# KiCad board INS-1 Matrix Display.kicad_pcb (continued)
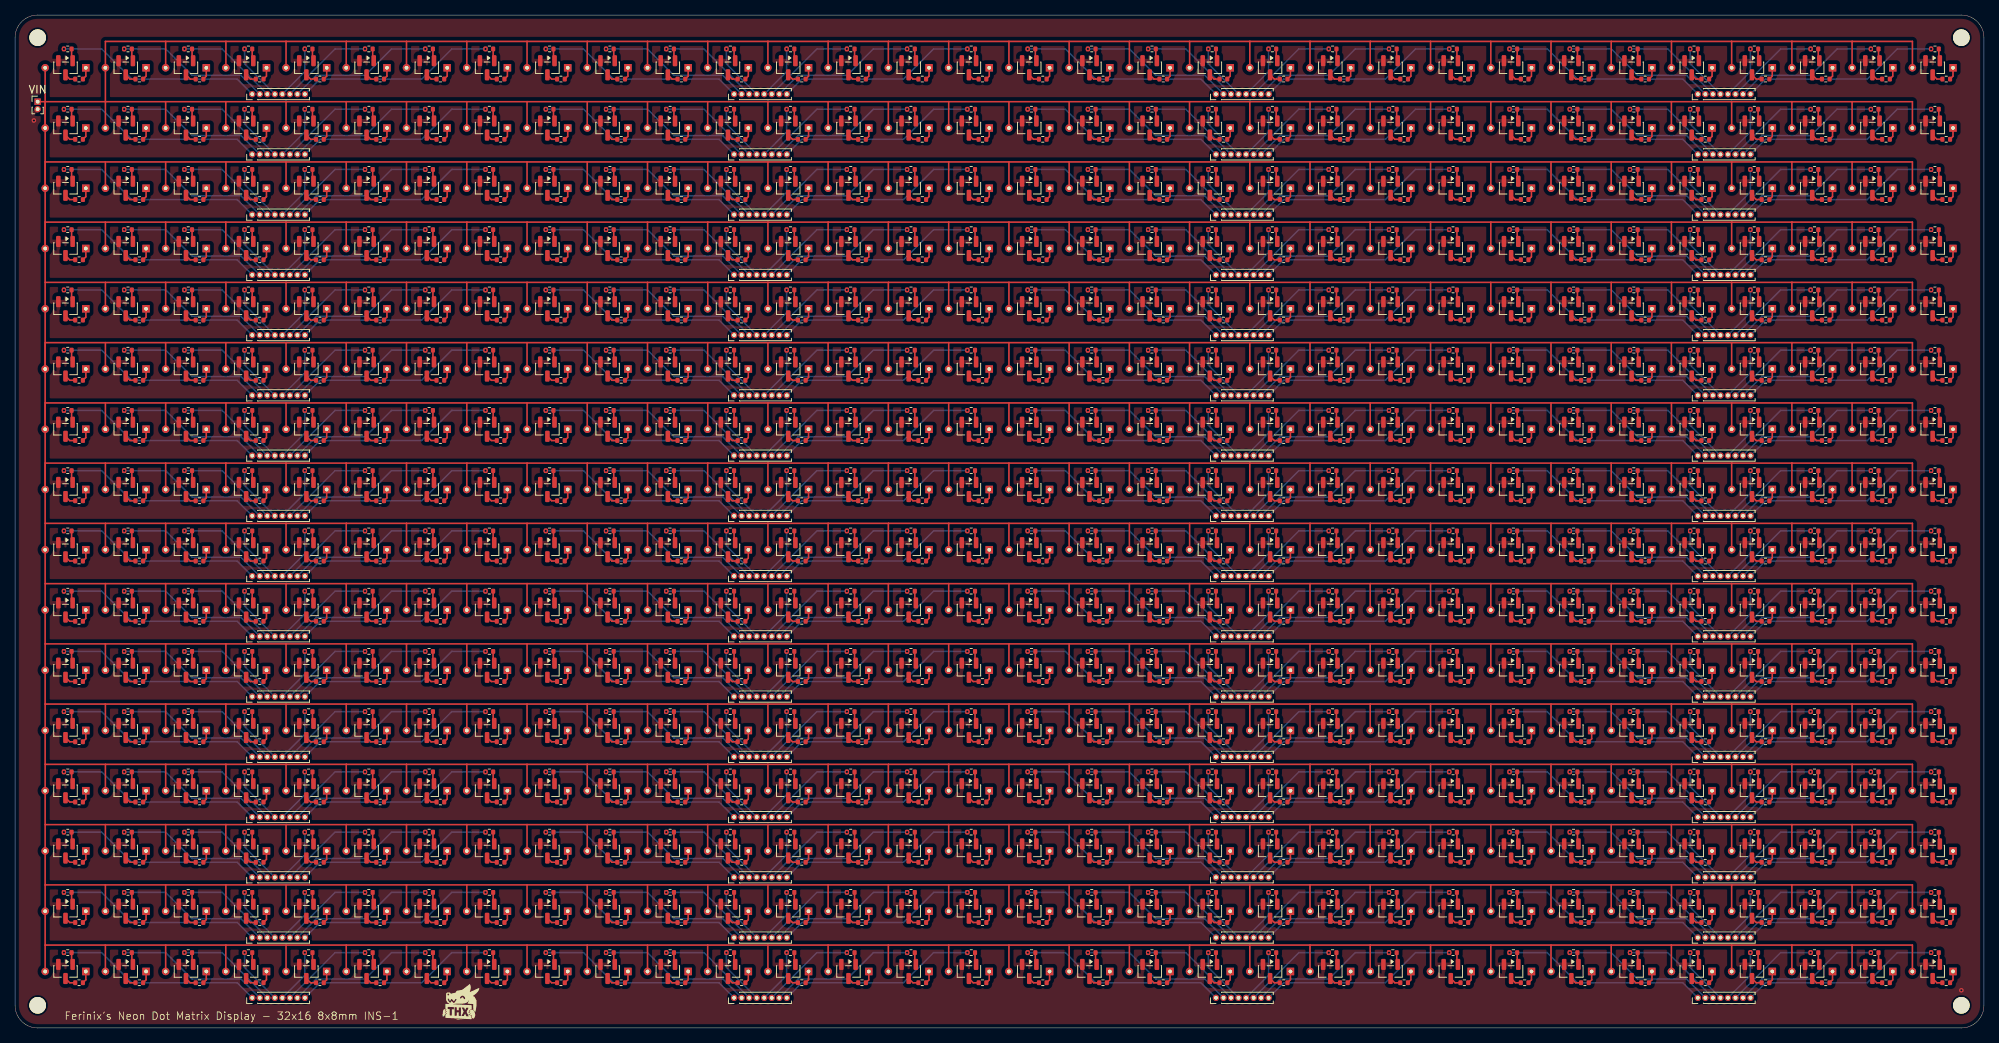
[diagram p0: board, top side]
## Placement (name value [footprint] x y rotation side) (continued)
REF**#493  INS-1  [INS-1 Footprint]  46.69 39.5 0 top
REF**#494  INS-1  [INS-1 Footprint]  254.69 39.5 0 top
REF**#495  INS-1  [INS-1 Footprint]  46.69 111.5 0 top
REF**#496  INS-1  [INS-1 Footprint]  6.7 95.5 0 top
REF**#497  -  [MountingHole_2.2mm_M2]  3 131.5 0 top
REF**#498  INS-1  [INS-1 Footprint]  206.7 87.5 0 top
REF**#499  INS-1  [INS-1 Footprint]  158.69 31.5 0 top
REF**#500  INS-1  [INS-1 Footprint]  174.69 23.5 0 top
REF**#501  INS-1  [INS-1 Footprint]  126.69 63.5 0 top
REF**#502  INS-1  [INS-1 Footprint]  214.7 7.5 0 top
REF**#503  INS-1  [INS-1 Footprint]  158.69 87.5 0 top
REF**#504  INS-1  [INS-1 Footprint]  78.7 119.5 0 top
REF**#505  INS-1  [INS-1 Footprint]  126.69 31.5 0 top
REF**#506  INS-1  [INS-1 Footprint]  142.7 31.5 0 top
REF**#507  INS-1  [INS-1 Footprint]  198.7 15.5 0 top
REF**#508  INS-1  [INS-1 Footprint]  198.7 39.5 0 top
REF**#509  INS-1  [INS-1 Footprint]  22.7 7.5 0 top
REF**#510  INS-1  [INS-1 Footprint]  6.7 63.5 0 top
REF**#511  INS-1  [INS-1 Footprint]  214.7 127.5 0 top
REF**#512  INS-1  [INS-1 Footprint]  102.69 63.5 0 top
REF**#513  INS-1  [INS-1 Footprint]  86.7 103.5 0 top
REF**#514  INS-1  [INS-1 Footprint]  150.7 111.5 0 top
REF**#515  INS-1  [INS-1 Footprint]  222.69 47.5 0 top
REF**#516  INS-1  [INS-1 Footprint]  182.69 47.5 0 top
RegisterLane  -  [PinHeader_1x08_P1.00mm_Vertical]  159.5 116 90 top
RegisterLane#2  -  [PinHeader_1x08_P1.00mm_Vertical]  95.5 92 90 top
RegisterLane#3  -  [PinHeader_1x08_P1.00mm_Vertical]  223.5 36 90 top
RegisterLane#4  -  [PinHeader_1x08_P1.00mm_Vertical]  31.5 68 90 top
RegisterLane#5  -  [PinHeader_1x08_P1.00mm_Vertical]  159.5 12 90 top
RegisterLane#6  -  [PinHeader_1x08_P1.00mm_Vertical]  31.5 52 90 top
RegisterLane#7  -  [PinHeader_1x08_P1.00mm_Vertical]  223.5 20 90 top
RegisterLane#8  -  [PinHeader_1x08_P1.00mm_Vertical]  31.5 76 90 top
RegisterLane#9  -  [PinHeader_1x08_P1.00mm_Vertical]  223.5 52 90 top
RegisterLane#10  -  [PinHeader_1x08_P1.00mm_Vertical]  223.5 4 90 top
RegisterLane#11  -  [PinHeader_1x08_P1.00mm_Vertical]  95.5 124 90 top
RegisterLane#12  -  [PinHeader_1x08_P1.00mm_Vertical]  31.5 36 90 top
RegisterLane#13  -  [PinHeader_1x08_P1.00mm_Vertical]  31.5 60 90 top
RegisterLane#14  -  [PinHeader_1x08_P1.00mm_Vertical]  95.5 68 90 top
RegisterLane#15  -  [PinHeader_1x08_P1.00mm_Vertical]  31.5 4 90 top
RegisterLane#16  -  [PinHeader_1x08_P1.00mm_Vertical]  223.5 124 90 top
RegisterLane#17  -  [PinHeader_1x08_P1.00mm_Vertical]  95.5 44 90 top
RegisterLane#18  -  [PinHeader_1x08_P1.00mm_Vertical]  95.5 108 90 top
RegisterLane#19  -  [PinHeader_1x08_P1.00mm_Vertical]  31.5 44 90 top
RegisterLane#20  -  [PinHeader_1x08_P1.00mm_Vertical]  159.5 28 90 top
RegisterLane#21  -  [PinHeader_1x08_P1.00mm_Vertical]  159.5 36 90 top
RegisterLane#22  -  [PinHeader_1x08_P1.00mm_Vertical]  159.5 44 90 top
RegisterLane#23  -  [PinHeader_1x08_P1.00mm_Vertical]  159.5 20 90 top
RegisterLane#24  -  [PinHeader_1x08_P1.00mm_Vertical]  223.5 28 90 top
RegisterLane#25  -  [PinHeader_1x08_P1.00mm_Vertical]  95.5 60 90 top
RegisterLane#26  -  [PinHeader_1x08_P1.00mm_Vertical]  223.5 44 90 top
RegisterLane#27  -  [PinHeader_1x08_P1.00mm_Vertical]  223.5 108 90 top
RegisterLane#28  -  [PinHeader_1x08_P1.00mm_Vertical]  159.5 4 90 top
RegisterLane#29  -  [PinHeader_1x08_P1.00mm_Vertical]  31.5 92 90 top
RegisterLane#30  -  [PinHeader_1x08_P1.00mm_Vertical]  159.5 84 90 top
RegisterLane#31  -  [PinHeader_1x08_P1.00mm_Vertical]  31.5 100 90 top
RegisterLane#32  -  [PinHeader_1x08_P1.00mm_Vertical]  159.5 92 90 top
RegisterLane#33  -  [PinHeader_1x08_P1.00mm_Vertical]  95.5 12 90 top
RegisterLane#34  -  [PinHeader_1x08_P1.00mm_Vertical]  31.5 84 90 top
RegisterLane#35  -  [PinHeader_1x08_P1.00mm_Vertical]  159.5 124 90 top
RegisterLane#36  -  [PinHeader_1x08_P1.00mm_Vertical]  95.5 52 90 top
RegisterLane#37  -  [PinHeader_1x08_P1.00mm_Vertical]  31.5 12 90 top
RegisterLane#38  -  [PinHeader_1x08_P1.00mm_Vertical]  95.5 20 90 top
RegisterLane#39  -  [PinHeader_1x08_P1.00mm_Vertical]  95.5 28 90 top
RegisterLane#40  -  [PinHeader_1x08_P1.00mm_Vertical]  95.5 4 90 top
RegisterLane#41  -  [PinHeader_1x08_P1.00mm_Vertical]  223.5 92 90 top
RegisterLane#42  -  [PinHeader_1x08_P1.00mm_Vertical]  223.5 84 90 top
RegisterLane#43  -  [PinHeader_1x08_P1.00mm_Vertical]  31.5 20 90 top
RegisterLane#44  -  [PinHeader_1x08_P1.00mm_Vertical]  95.5 116 90 top
RegisterLane#45  -  [PinHeader_1x08_P1.00mm_Vertical]  95.5 84 90 top
RegisterLane#46  -  [PinHeader_1x08_P1.00mm_Vertical]  223.5 12 90 top
RegisterLane#47  -  [PinHeader_1x08_P1.00mm_Vertical]  223.5 76 90 top
RegisterLane#48  -  [PinHeader_1x08_P1.00mm_Vertical]  159.5 108 90 top
RegisterLane#49  -  [PinHeader_1x08_P1.00mm_Vertical]  159.5 68 90 top
RegisterLane#50  -  [PinHeader_1x08_P1.00mm_Vertical]  223.5 60 90 top
RegisterLane#51  -  [PinHeader_1x08_P1.00mm_Vertical]  159.5 76 90 top
RegisterLane#52  -  [PinHeader_1x08_P1.00mm_Vertical]  159.5 60 90 top
RegisterLane#53  -  [PinHeader_1x08_P1.00mm_Vertical]  159.5 52 90 top
RegisterLane#54  -  [PinHeader_1x08_P1.00mm_Vertical]  95.5 36 90 top
RegisterLane#55  -  [PinHeader_1x08_P1.00mm_Vertical]  95.5 76 90 top
RegisterLane#56  -  [PinHeader_1x08_P1.00mm_Vertical]  31.5 116 90 top
RegisterLane#57  -  [PinHeader_1x08_P1.00mm_Vertical]  159.5 100 90 top
RegisterLane#58  -  [PinHeader_1x08_P1.00mm_Vertical]  223.5 100 90 top
RegisterLane#59  -  [PinHeader_1x08_P1.00mm_Vertical]  31.5 108 90 top
RegisterLane#60  -  [PinHeader_1x08_P1.00mm_Vertical]  95.5 100 90 top
RegisterLane#61  -  [PinHeader_1x08_P1.00mm_Vertical]  223.5 116 90 top
RegisterLane#62  -  [PinHeader_1x08_P1.00mm_Vertical]  31.5 124 90 top
RegisterLane#63  -  [PinHeader_1x08_P1.00mm_Vertical]  31.5 28 90 top
RegisterLane#64  -  [PinHeader_1x08_P1.00mm_Vertical]  223.5 68 90 top
VIN  -  [PinHeader_1x02_P1.00mm_Vertical]  3 123 0 top

## Library data of the parts
REF** REF**#2-REF**#27 REF**#29-REF**#123 REF**#125-REF**#148 REF**#150-REF**#496 REF**#498-REF**#516 = -: Cathode: K; Anode: A

## Footprints (pads in the part's own frame, mm; a bottom-side part is the same pattern mirrored in y, then rotated)
INS-1 Footprint
  round 1 hole 0.5: 1(-2.7,0)
  rect 1x1 hole 0.5: 2(2.7,0)
MountingHole_2.2mm_M2
  round 2.2 hole 2.2 unplated: (0,0)
PinHeader_1x02_P1.00mm_Vertical
  rect 0.85x0.85 hole 0.5: 1(0,0)
  round 0.85 hole 0.5: 2(0,-1)
PinHeader_1x08_P1.00mm_Vertical
  round 0.85 hole 0.5: 1(0,0) 2(0,-1) 3(0,-2) 4(0,-3) 5(0,-4) 6(0,-5) 7(0,-6) 8(0,-7)
R_0402_1005Metric
  rrect 0.54x0.64 smd: 1(-0.51,0) 2(0.51,0)
SOT-23
  rrect 1.475x0.6 smd: 1(-0.938,0.95) 2(-0.938,-0.95) 3(0.938,0)

## Nets
GND: MMBTA42.2 MMBTA42#2.2 MMBTA42#3.2 MMBTA42#4.2 MMBTA42#5.2 MMBTA42#6.2 MMBTA42#7.2 MMBTA42#8.2 MMBTA42#9.2 MMBTA42#10.2 MMBTA42#11.2 MMBTA42#12.2 MMBTA42#13.2 MMBTA42#14.2 MMBTA42#15.2 MMBTA42#16.2 MMBTA42#17.2 MMBTA42#18.2 MMBTA42#19.2 MMBTA42#20.2 MMBTA42#21.2 MMBTA42#22.2 MMBTA42#23.2 MMBTA42#24.2 MMBTA42#25.2 MMBTA42#26.2 MMBTA42#27.2 MMBTA42#28.2 MMBTA42#29.2 MMBTA42#30.2 MMBTA42#31.2 MMBTA42#32.2 MMBTA42#33.2 MMBTA42#34.2 MMBTA42#35.2 MMBTA42#36.2 MMBTA42#37.2 MMBTA42#38.2 MMBTA42#39.2 MMBTA42#40.2 MMBTA42#41.2 MMBTA42#42.2 MMBTA42#43.2 MMBTA42#44.2 MMBTA42#45.2 MMBTA42#46.2 MMBTA42#47.2 MMBTA42#48.2 MMBTA42#49.2 MMBTA42#50.2 MMBTA42#51.2 MMBTA42#52.2 MMBTA42#53.2 MMBTA42#54.2 MMBTA42#55.2 MMBTA42#56.2 MMBTA42#57.2 MMBTA42#58.2 MMBTA42#59.2 MMBTA42#60.2 MMBTA42#61.2 MMBTA42#62.2 MMBTA42#63.2 MMBTA42#64.2 MMBTA42#65.2 MMBTA42#66.2 MMBTA42#67.2 MMBTA42#68.2 MMBTA42#69.2 MMBTA42#70.2 MMBTA42#71.2 MMBTA42#72.2 MMBTA42#73.2 MMBTA42#74.2 MMBTA42#75.2 MMBTA42#76.2 MMBTA42#77.2 MMBTA42#78.2 MMBTA42#79.2 MMBTA42#80.2 MMBTA42#81.2 MMBTA42#82.2 MMBTA42#83.2 MMBTA42#84.2 MMBTA42#85.2 MMBTA42#86.2 MMBTA42#87.2 MMBTA42#88.2 MMBTA42#89.2 MMBTA42#90.2 MMBTA42#91.2 MMBTA42#92.2 MMBTA42#93.2 MMBTA42#94.2 MMBTA42#95.2 MMBTA42#96.2 MMBTA42#97.2 MMBTA42#98.2 MMBTA42#99.2 MMBTA42#100.2 MMBTA42#101.2 MMBTA42#102.2 MMBTA42#103.2 MMBTA42#104.2 MMBTA42#105.2 MMBTA42#106.2 MMBTA42#107.2 MMBTA42#108.2 MMBTA42#109.2 MMBTA42#110.2 MMBTA42#111.2 MMBTA42#112.2 MMBTA42#113.2 MMBTA42#114.2 MMBTA42#115.2 MMBTA42#116.2 MMBTA42#117.2 MMBTA42#118.2 MMBTA42#119.2 MMBTA42#120.2 MMBTA42#121.2 MMBTA42#122.2 MMBTA42#123.2 MMBTA42#124.2 MMBTA42#125.2 MMBTA42#126.2 MMBTA42#127.2 MMBTA42#128.2 MMBTA42#129.2 MMBTA42#130.2 MMBTA42#131.2 MMBTA42#132.2 MMBTA42#133.2 MMBTA42#134.2 MMBTA42#135.2 MMBTA42#136.2 MMBTA42#137.2 MMBTA42#138.2 MMBTA42#139.2 MMBTA42#140.2 MMBTA42#141.2 MMBTA42#142.2 MMBTA42#143.2 MMBTA42#144.2 MMBTA42#145.2 MMBTA42#146.2 MMBTA42#147.2 MMBTA42#148.2 MMBTA42#149.2 MMBTA42#150.2 MMBTA42#151.2 MMBTA42#152.2 MMBTA42#153.2 MMBTA42#154.2 MMBTA42#155.2 MMBTA42#156.2 MMBTA42#157.2 MMBTA42#158.2 MMBTA42#159.2 MMBTA42#160.2 MMBTA42#161.2 MMBTA42#162.2 MMBTA42#163.2 MMBTA42#164.2 MMBTA42#165.2 MMBTA42#166.2 MMBTA42#167.2 MMBTA42#168.2 MMBTA42#169.2 MMBTA42#170.2 MMBTA42#171.2 MMBTA42#172.2 MMBTA42#173.2 MMBTA42#174.2 MMBTA42#175.2 MMBTA42#176.2 MMBTA42#177.2 MMBTA42#178.2 MMBTA42#179.2 MMBTA42#180.2 MMBTA42#181.2 MMBTA42#182.2 MMBTA42#183.2 MMBTA42#184.2 MMBTA42#185.2 MMBTA42#186.2 MMBTA42#187.2 MMBTA42#188.2 MMBTA42#189.2 MMBTA42#190.2 MMBTA42#191.2 MMBTA42#192.2 MMBTA42#193.2 MMBTA42#194.2 MMBTA42#195.2 MMBTA42#196.2 MMBTA42#197.2 MMBTA42#198.2 MMBTA42#199.2 MMBTA42#200.2 MMBTA42#201.2 MMBTA42#202.2 MMBTA42#203.2 MMBTA42#204.2 MMBTA42#205.2 MMBTA42#206.2 MMBTA42#207.2 MMBTA42#208.2 MMBTA42#209.2 MMBTA42#210.2 MMBTA42#211.2 MMBTA42#212.2 MMBTA42#213.2 MMBTA42#214.2 MMBTA42#215.2 MMBTA42#216.2 MMBTA42#217.2 MMBTA42#218.2 MMBTA42#219.2 MMBTA42#220.2 MMBTA42#221.2 MMBTA42#222.2 MMBTA42#223.2 MMBTA42#224.2 MMBTA42#225.2 MMBTA42#226.2 MMBTA42#227.2 MMBTA42#228.2 MMBTA42#229.2 MMBTA42#230.2 MMBTA42#231.2 MMBTA42#232.2 MMBTA42#233.2 MMBTA42#234.2 MMBTA42#235.2 MMBTA42#236.2 MMBTA42#237.2 MMBTA42#238.2 MMBTA42#239.2 MMBTA42#240.2 MMBTA42#241.2 MMBTA42#242.2 MMBTA42#243.2 MMBTA42#244.2 MMBTA42#245.2 MMBTA42#246.2 MMBTA42#247.2 MMBTA42#248.2 MMBTA42#249.2 MMBTA42#250.2 MMBTA42#251.2 MMBTA42#252.2 MMBTA42#253.2 MMBTA42#254.2 MMBTA42#255.2 MMBTA42#256.2 MMBTA42#257.2 MMBTA42#258.2 MMBTA42#259.2 MMBTA42#260.2 MMBTA42#261.2 MMBTA42#262.2 MMBTA42#263.2 MMBTA42#264.2 MMBTA42#265.2 MMBTA42#266.2 MMBTA42#267.2 MMBTA42#268.2 MMBTA42#269.2 MMBTA42#270.2 MMBTA42#271.2 MMBTA42#272.2 MMBTA42#273.2 MMBTA42#274.2 MMBTA42#275.2 MMBTA42#276.2 MMBTA42#277.2 MMBTA42#278.2 MMBTA42#279.2 MMBTA42#280.2 MMBTA42#281.2 MMBTA42#282.2 MMBTA42#283.2 MMBTA42#284.2 MMBTA42#285.2 MMBTA42#286.2 MMBTA42#287.2 MMBTA42#288.2 MMBTA42#289.2 MMBTA42#290.2 MMBTA42#291.2 MMBTA42#292.2 MMBTA42#293.2 MMBTA42#294.2 MMBTA42#295.2 MMBTA42#296.2 MMBTA42#297.2 MMBTA42#298.2 MMBTA42#299.2 MMBTA42#300.2 MMBTA42#301.2 MMBTA42#302.2 MMBTA42#303.2 MMBTA42#304.2 MMBTA42#305.2 MMBTA42#306.2 MMBTA42#307.2 MMBTA42#308.2 MMBTA42#309.2 MMBTA42#310.2 MMBTA42#311.2 MMBTA42#312.2 MMBTA42#313.2 MMBTA42#314.2 MMBTA42#315.2 MMBTA42#316.2 MMBTA42#317.2 MMBTA42#318.2 MMBTA42#319.2 MMBTA42#320.2 MMBTA42#321.2 MMBTA42#322.2 MMBTA42#323.2 MMBTA42#324.2 MMBTA42#325.2 MMBTA42#326.2 MMBTA42#327.2 MMBTA42#328.2 MMBTA42#329.2 MMBTA42#330.2 MMBTA42#331.2 MMBTA42#332.2 MMBTA42#333.2 MMBTA42#334.2 MMBTA42#335.2 MMBTA42#336.2 MMBTA42#337.2 MMBTA42#338.2 MMBTA42#339.2 MMBTA42#340.2 MMBTA42#341.2 MMBTA42#342.2 MMBTA42#343.2 MMBTA42#344.2 MMBTA42#345.2 MMBTA42#346.2 MMBTA42#347.2 MMBTA42#348.2 MMBTA42#349.2 MMBTA42#350.2 MMBTA42#351.2 MMBTA42#352.2 MMBTA42#353.2 MMBTA42#354.2 MMBTA42#355.2 MMBTA42#356.2 MMBTA42#357.2 MMBTA42#358.2 MMBTA42#359.2 MMBTA42#360.2 MMBTA42#361.2 MMBTA42#362.2 MMBTA42#363.2 MMBTA42#364.2 MMBTA42#365.2 MMBTA42#366.2 MMBTA42#367.2 MMBTA42#368.2 MMBTA42#369.2 MMBTA42#370.2 MMBTA42#371.2 MMBTA42#372.2 MMBTA42#373.2 MMBTA42#374.2 MMBTA42#375.2 MMBTA42#376.2 MMBTA42#377.2 MMBTA42#378.2 MMBTA42#379.2 MMBTA42#380.2 MMBTA42#381.2 MMBTA42#382.2 MMBTA42#383.2 MMBTA42#384.2 MMBTA42#385.2 MMBTA42#386.2 MMBTA42#387.2 MMBTA42#388.2 MMBTA42#389.2 MMBTA42#390.2 MMBTA42#391.2 MMBTA42#392.2 MMBTA42#393.2 MMBTA42#394.2 MMBTA42#395.2 MMBTA42#396.2 MMBTA42#397.2 MMBTA42#398.2 MMBTA42#399.2 MMBTA42#400.2 MMBTA42#401.2 MMBTA42#402.2 MMBTA42#403.2 MMBTA42#404.2 MMBTA42#405.2 MMBTA42#406.2 MMBTA42#407.2 MMBTA42#408.2 MMBTA42#409.2 MMBTA42#410.2 MMBTA42#411.2 MMBTA42#412.2 MMBTA42#413.2 MMBTA42#414.2 MMBTA42#415.2 MMBTA42#416.2 MMBTA42#417.2 MMBTA42#418.2 MMBTA42#419.2 MMBTA42#420.2 MMBTA42#421.2 MMBTA42#422.2 MMBTA42#423.2 MMBTA42#424.2 MMBTA42#425.2 MMBTA42#426.2 MMBTA42#427.2 MMBTA42#428.2 MMBTA42#429.2 MMBTA42#430.2 MMBTA42#431.2 MMBTA42#432.2 MMBTA42#433.2 MMBTA42#434.2 MMBTA42#435.2 MMBTA42#436.2 MMBTA42#437.2 MMBTA42#438.2 MMBTA42#439.2 MMBTA42#440.2 MMBTA42#441.2 MMBTA42#442.2 MMBTA42#443.2 MMBTA42#444.2 MMBTA42#445.2 MMBTA42#446.2 MMBTA42#447.2 MMBTA42#448.2 MMBTA42#449.2 MMBTA42#450.2 MMBTA42#451.2 MMBTA42#452.2 MMBTA42#453.2 MMBTA42#454.2 MMBTA42#455.2 MMBTA42#456.2 MMBTA42#457.2 MMBTA42#458.2 MMBTA42#459.2 MMBTA42#460.2 MMBTA42#461.2 MMBTA42#462.2 MMBTA42#463.2 MMBTA42#464.2 MMBTA42#465.2 MMBTA42#466.2 MMBTA42#467.2 MMBTA42#468.2 MMBTA42#469.2 MMBTA42#470.2 MMBTA42#471.2 MMBTA42#472.2 MMBTA42#473.2 MMBTA42#474.2 MMBTA42#475.2 MMBTA42#476.2 MMBTA42#477.2 MMBTA42#478.2 MMBTA42#479.2 MMBTA42#480.2 MMBTA42#481.2 MMBTA42#482.2 MMBTA42#483.2 MMBTA42#484.2 MMBTA42#485.2 MMBTA42#486.2 MMBTA42#487.2 MMBTA42#488.2 MMBTA42#489.2 MMBTA42#490.2 MMBTA42#491.2 MMBTA42#492.2 MMBTA42#493.2 MMBTA42#494.2 MMBTA42#495.2 MMBTA42#496.2 MMBTA42#497.2 MMBTA42#498.2 MMBTA42#499.2 MMBTA42#500.2 MMBTA42#501.2 MMBTA42#502.2 MMBTA42#503.2 MMBTA42#504.2 MMBTA42#505.2 MMBTA42#506.2 MMBTA42#507.2 MMBTA42#508.2 MMBTA42#509.2 MMBTA42#510.2 MMBTA42#511.2 MMBTA42#512.2 VIN.2

Pads without a net: 1K 1 2; 1K#2 1 2; 1K#3 1 2; 1K#4 1 2; 1K#5 1 2; 1K#6 1 2; 1K#7 1 2; 1K#8 1 2; 1K#9 1 2; 1K#10 1 2; 1K#11 1 2; 1K#12 1 2; 1K#13 1 2; 1K#14 1 2; 1K#15 1 2; 1K#16 1 2; 1K#17 1 2; 1K#18 1 2; 1K#19 1 2; 1K#20 1 2; 1K#21 1 2; 1K#22 1 2; 1K#23 1 2; 1K#24 1 2; 1K#25 1 2; 1K#26 1 2; 1K#27 1 2; 1K#28 1 2; 1K#29 1 2; 1K#30 1 2; 1K#31 1 2; 1K#32 1 2; 1K#33 1 2; 1K#34 1 2; 1K#35 1 2; 1K#36 1 2; 1K#37 1 2; 1K#38 1 2; 1K#39 1 2; 1K#40 1 2; 1K#41 1 2; 1K#42 1 2; 1K#43 1 2; 1K#44 1 2; 1K#45 1 2; 1K#46 1 2; 1K#47 1 2; 1K#48 1 2; 1K#49 1 2; 1K#50 1 2; 1K#51 1 2; 1K#52 1 2; 1K#53 1 2; 1K#54 1 2; 1K#55 1 2; 1K#56 1 2; 1K#57 1 2; 1K#58 1 2; 1K#59 1 2; 1K#60 1 2; 1K#61 1 2; 1K#62 1 2; 1K#63 1 2; 1K#64 1 2; 1K#65 1 2; 1K#66 1 2; 1K#67 1 2; 1K#68 1 2; 1K#69 1 2; 1K#70 1 2; 1K#71 1 2; 1K#72 1 2; 1K#73 1 2; 1K#74 1 2; 1K#75 1 2; 1K#76 1 2; 1K#77 1 2; 1K#78 1 2; 1K#79 1 2; 1K#80 1 2; 1K#81 1 2; 1K#82 1 2; 1K#83 1 2; 1K#84 1 2; 1K#85 1 2; 1K#86 1 2; 1K#87 1 2; 1K#88 1 2; 1K#89 1 2; 1K#90 1 2; 1K#91 1 2; 1K#92 1 2; 1K#93 1 2; 1K#94 1 2; 1K#95 1 2; 1K#96 1 2; 1K#97 1 2; 1K#98 1 2; 1K#99 1 2; 1K#100 1 2; 1K#101 1 2; 1K#102 1 2; 1K#103 1 2; 1K#104 1 2; 1K#105 1 2; 1K#106 1 2; 1K#107 1 2; 1K#108 1 2; 1K#109 1 2; 1K#110 1 2; 1K#111 1 2; 1K#112 1 2; 1K#113 1 2; 1K#114 1 2; 1K#115 1 2; 1K#116 1 2; 1K#117 1 2; 1K#118 1 2; 1K#119 1 2; 1K#120 1 2; 1K#121 1 2; 1K#122 1 2; 1K#123 1 2; 1K#124 1 2; 1K#125 1 2; 1K#126 1 2; 1K#127 1 2; 1K#128 1 2; 1K#129 1 2; 1K#130 1 2; 1K#131 1 2; 1K#132 1 2; 1K#133 1 2; 1K#134 1 2; 1K#135 1 2; 1K#136 1 2; 1K#137 1 2; 1K#138 1 2; 1K#139 1 2; 1K#140 1 2; 1K#141 1 2; 1K#142 1 2; 1K#143 1 2; 1K#144 1 2; 1K#145 1 2; 1K#146 1 2; 1K#147 1 2; 1K#148 1 2; 1K#149 1 2; 1K#150 1 2; 1K#151 1 2; 1K#152 1 2; 1K#153 1 2; 1K#154 1 2; 1K#155 1 2; 1K#156 1 2; 1K#157 1 2; 1K#158 1 2; 1K#159 1 2; 1K#160 1 2; 1K#161 1 2; 1K#162 1 2; 1K#163 1 2; 1K#164 1 2; 1K#165 1 2; 1K#166 1 2; 1K#167 1 2; 1K#168 1 2; 1K#169 1 2; 1K#170 1 2; 1K#171 1 2; 1K#172 1 2; 1K#173 1 2; 1K#174 1 2; 1K#175 1 2; 1K#176 1 2; 1K#177 1 2; 1K#178 1 2; 1K#179 1 2; 1K#180 1 2; 1K#181 1 2; 1K#182 1 2; 1K#183 1 2; 1K#184 1 2; 1K#185 1 2; 1K#186 1 2; 1K#187 1 2; 1K#188 1 2; 1K#189 1 2; 1K#190 1 2; 1K#191 1 2; 1K#192 1 2; 1K#193 1 2; 1K#194 1 2; 1K#195 1 2; 1K#196 1 2; 1K#197 1 2; 1K#198 1 2; 1K#199 1 2; 1K#200 1 2; 1K#201 1 2; 1K#202 1 2; 1K#203 1 2; 1K#204 1 2; 1K#205 1 2; 1K#206 1 2; 1K#207 1 2; 1K#208 1 2; 1K#209 1 2; 1K#210 1 2; 1K#211 1 2; 1K#212 1 2; 1K#213 1 2; 1K#214 1 2; 1K#215 1 2; 1K#216 1 2; 1K#217 1 2; 1K#218 1 2; 1K#219 1 2; 1K#220 1 2; 1K#221 1 2; 1K#222 1 2; 1K#223 1 2; 1K#224 1 2; 1K#225 1 2; 1K#226 1 2; 1K#227 1 2; 1K#228 1 2; 1K#229 1 2; 1K#230 1 2; 1K#231 1 2; 1K#232 1 2; 1K#233 1 2; 1K#234 1 2; 1K#235 1 2; 1K#236 1 2; 1K#237 1 2; 1K#238 1 2; 1K#239 1 2; 1K#240 1 2; 1K#241 1 2; 1K#242 1 2; 1K#243 1 2; 1K#244 1 2; 1K#245 1 2; 1K#246 1 2; 1K#247 1 2; 1K#248 1 2; 1K#249 1 2; 1K#250 1 2; 1K#251 1 2; 1K#252 1 2; 1K#253 1 2; 1K#254 1 2; 1K#255 1 2; 1K#256 1 2; 1K#257 1 2; 1K#258 1 2; 1K#259 1 2; 1K#260 1 2; 1K#261 1 2; 1K#262 1 2; 1K#263 1 2; 1K#264 1 2; 1K#265 1 2; 1K#266 1 2; 1K#267 1 2; 1K#268 1 2; 1K#269 1 2; 1K#270 1 2; 1K#271 1 2; 1K#272 1 2; 1K#273 1 2; 1K#274 1 2; 1K#275 1 2; 1K#276 1 2; 1K#277 1 2; 1K#278 1 2; 1K#279 1 2; 1K#280 1 2; 1K#281 1 2; 1K#282 1 2; 1K#283 1 2; 1K#284 1 2; 1K#285 1 2; 1K#286 1 2; 1K#287 1 2; 1K#288 1 2; 1K#289 1 2; 1K#290 1 2; 1K#291 1 2; 1K#292 1 2; 1K#293 1 2; 1K#294 1 2; 1K#295 1 2; 1K#296 1 2; 1K#297 1 2; 1K#298 1 2; 1K#299 1 2; 1K#300 1 2; 1K#301 1 2; 1K#302 1 2; 1K#303 1 2; 1K#304 1 2; 1K#305 1 2; 1K#306 1 2; 1K#307 1 2; 1K#308 1 2; 1K#309 1 2; 1K#310 1 2; 1K#311 1 2; 1K#312 1 2; 1K#313 1 2; 1K#314 1 2; 1K#315 1 2; 1K#316 1 2; 1K#317 1 2; 1K#318 1 2; 1K#319 1 2; 1K#320 1 2; 1K#321 1 2; 1K#322 1 2; 1K#323 1 2; 1K#324 1 2; 1K#325 1 2; 1K#326 1 2; 1K#327 1 2; 1K#328 1 2; 1K#329 1 2; 1K#330 1 2; 1K#331 1 2; 1K#332 1 2; 1K#333 1 2; 1K#334 1 2; 1K#335 1 2; 1K#336 1 2; 1K#337 1 2; 1K#338 1 2; 1K#339 1 2; 1K#340 1 2; 1K#341 1 2; 1K#342 1 2; 1K#343 1 2; 1K#344 1 2; 1K#345 1 2; 1K#346 1 2; 1K#347 1 2; 1K#348 1 2; 1K#349 1 2; 1K#350 1 2; 1K#351 1 2; 1K#352 1 2; 1K#353 1 2; 1K#354 1 2; 1K#355 1 2; 1K#356 1 2; 1K#357 1 2; 1K#358 1 2; 1K#359 1 2; 1K#360 1 2; 1K#361 1 2; 1K#362 1 2; 1K#363 1 2; 1K#364 1 2; 1K#365 1 2; 1K#366 1 2; 1K#367 1 2; 1K#368 1 2; 1K#369 1 2; 1K#370 1 2; 1K#371 1 2; 1K#372 1 2; 1K#373 1 2; 1K#374 1 2; 1K#375 1 2; 1K#376 1 2; 1K#377 1 2; 1K#378 1 2; 1K#379 1 2; 1K#380 1 2; 1K#381 1 2; 1K#382 1 2; 1K#383 1 2; 1K#384 1 2; 1K#385 1 2; 1K#386 1 2; 1K#387 1 2; 1K#388 1 2; 1K#389 1 2; 1K#390 1 2; 1K#391 1 2; 1K#392 1 2; 1K#393 1 2; 1K#394 1 2; 1K#395 1 2; 1K#396 1 2; 1K#397 1 2; 1K#398 1 2; 1K#399 1 2; 1K#400 1 2; 1K#401 1 2; 1K#402 1 2; 1K#403 1 2; 1K#404 1 2; 1K#405 1 2; 1K#406 1 2; 1K#407 1 2; 1K#408 1 2; 1K#409 1 2; 1K#410 1 2; 1K#411 1 2; 1K#412 1 2; 1K#413 1 2; 1K#414 1 2; 1K#415 1 2; 1K#416 1 2; 1K#417 1 2; 1K#418 1 2; 1K#419 1 2; 1K#420 1 2; 1K#421 1 2; 1K#422 1 2; 1K#423 1 2; 1K#424 1 2; 1K#425 1 2; 1K#426 1 2; 1K#427 1 2; 1K#428 1 2; 1K#429 1 2; 1K#430 1 2; 1K#431 1 2; 1K#432 1 2; 1K#433 1 2; 1K#434 1 2; 1K#435 1 2; 1K#436 1 2; 1K#437 1 2; 1K#438 1 2; 1K#439 1 2; 1K#440 1 2; 1K#441 1 2; 1K#442 1 2; 1K#443 1 2; 1K#444 1 2; 1K#445 1 2; 1K#446 1 2; 1K#447 1 2; 1K#448 1 2; 1K#449 1 2; 1K#450 1 2; 1K#451 1 2; 1K#452 1 2; 1K#453 1 2; 1K#454 1 2; 1K#455 1 2; 1K#456 1 2; 1K#457 1 2; 1K#458 1 2; 1K#459 1 2; 1K#460 1 2; 1K#461 1 2; 1K#462 1 2; 1K#463 1 2; 1K#464 1 2; 1K#465 1 2; 1K#466 1 2; 1K#467 1 2; 1K#468 1 2; 1K#469 1 2; 1K#470 1 2; 1K#471 1 2; 1K#472 1 2; 1K#473 1 2; 1K#474 1 2; 1K#475 1 2; 1K#476 1 2; 1K#477 1 2; 1K#478 1 2; 1K#479 1 2; 1K#480 1 2; 1K#481 1 2; 1K#482 1 2; 1K#483 1 2; 1K#484 1 2; 1K#485 1 2; 1K#486 1 2; 1K#487 1 2; 1K#488 1 2; 1K#489 1 2; 1K#490 1 2; 1K#491 1 2; 1K#492 1 2; 1K#493 1 2; 1K#494 1 2; 1K#495 1 2; 1K#496 1 2; 1K#497 1 2; 1K#498 1 2; 1K#499 1 2; 1K#500 1 2; 1K#501 1 2; 1K#502 1 2; 1K#503 1 2; 1K#504 1 2; 1K#505 1 2; 1K#506 1 2; 1K#507 1 2; 1K#508 1 2; 1K#509 1 2; 1K#510 1 2; 1K#511 1 2; 1K#512 1 2; 50K 1 2; 50K#2 1 2; 50K#3 1 2; 50K#4 1 2; 50K#5 1 2; 50K#6 1 2; 50K#7 1 2; 50K#8 1 2; 50K#9 1 2; 50K#10 1 2; 50K#11 1 2; 50K#12 1 2; 50K#13 1 2; 50K#14 1 2; 50K#15 1 2; 50K#16 1 2; 50K#17 1 2; 50K#18 1 2; 50K#19 1 2; 50K#20 1 2; 50K#21 1 2; 50K#22 1 2; 50K#23 1 2; 50K#24 1 2; 50K#25 1 2; 50K#26 1 2; 50K#27 1 2; 50K#28 1 2; 50K#29 1 2; 50K#30 1 2; 50K#31 1 2; 50K#32 1 2; 50K#33 1 2; 50K#34 1 2; 50K#35 1 2; 50K#36 1 2; 50K#37 1 2; 50K#38 1 2; 50K#39 1 2; 50K#40 1 2; 50K#41 1 2; 50K#42 1 2; 50K#43 1 2; 50K#44 1 2; 50K#45 1 2; 50K#46 1 2; 50K#47 1 2; 50K#48 1 2; 50K#49 1 2; 50K#50 1 2; 50K#51 1 2; 50K#52 1 2; 50K#53 1 2; 50K#54 1 2; 50K#55 1 2; 50K#56 1 2; 50K#57 1 2; 50K#58 1 2; 50K#59 1 2; 50K#60 1 2; 50K#61 1 2; 50K#62 1 2; 50K#63 1 2; 50K#64 1 2; 50K#65 1 2; 50K#66 1 2; 50K#67 1 2; 50K#68 1 2; 50K#69 1 2; 50K#70 1 2; 50K#71 1 2; 50K#72 1 2; 50K#73 1 2; 50K#74 1 2; 50K#75 1 2; 50K#76 1 2; 50K#77 1 2; 50K#78 1 2; 50K#79 1 2; 50K#80 1 2; 50K#81 1 2; 50K#82 1 2; 50K#83 1 2; 50K#84 1 2; 50K#85 1 2; 50K#86 1 2; 50K#87 1 2; 50K#88 1 2; 50K#89 1 2; 50K#90 1 2; 50K#91 1 2; 50K#92 1 2; 50K#93 1 2; 50K#94 1 2; 50K#95 1 2; 50K#96 1 2; 50K#97 1 2; 50K#98 1 2; 50K#99 1 2; 50K#100 1 2; 50K#101 1 2; 50K#102 1 2; 50K#103 1 2; 50K#104 1 2; 50K#105 1 2; 50K#106 1 2; 50K#107 1 2; 50K#108 1 2; 50K#109 1 2; 50K#110 1 2; 50K#111 1 2; 50K#112 1 2; 50K#113 1 2; 50K#114 1 2; 50K#115 1 2; 50K#116 1 2; 50K#117 1 2; 50K#118 1 2; 50K#119 1 2; 50K#120 1 2; 50K#121 1 2; 50K#122 1 2; 50K#123 1 2; 50K#124 1 2; 50K#125 1 2; 50K#126 1 2; 50K#127 1 2; 50K#128 1 2; 50K#129 1 2; 50K#130 1 2; 50K#131 1 2; 50K#132 1 2; 50K#133 1 2; 50K#134 1 2; 50K#135 1 2; 50K#136 1 2; 50K#137 1 2; 50K#138 1 2; 50K#139 1 2; 50K#140 1 2; 50K#141 1 2; 50K#142 1 2; 50K#143 1 2; 50K#144 1 2; 50K#145 1 2; 50K#146 1 2; 50K#147 1 2; 50K#148 1 2; 50K#149 1 2; 50K#150 1 2; 50K#151 1 2; 50K#152 1 2; 50K#153 1 2; 50K#154 1 2; 50K#155 1 2; 50K#156 1 2; 50K#157 1 2; 50K#158 1 2; 50K#159 1 2; 50K#160 1 2; 50K#161 1 2; 50K#162 1 2; 50K#163 1 2; 50K#164 1 2; 50K#165 1 2; 50K#166 1 2; 50K#167 1 2; 50K#168 1 2; 50K#169 1 2; 50K#170 1 2; 50K#171 1 2; 50K#172 1 2; 50K#173 1 2; 50K#174 1 2; 50K#175 1 2; 50K#176 1 2; 50K#177 1 2; 50K#178 1 2; 50K#179 1 2; 50K#180 1 2; 50K#181 1 2; 50K#182 1 2; 50K#183 1 2; 50K#184 1 2; 50K#185 1 2; 50K#186 1 2; 50K#187 1 2; 50K#188 1 2; 50K#189 1 2; 50K#190 1 2; 50K#191 1 2; 50K#192 1 2; 50K#193 1 2; 50K#194 1 2; 50K#195 1 2; 50K#196 1 2; 50K#197 1 2; 50K#198 1 2; 50K#199 1 2; 50K#200 1 2; 50K#201 1 2; 50K#202 1 2; 50K#203 1 2; 50K#204 1 2; 50K#205 1 2; 50K#206 1 2; 50K#207 1 2; 50K#208 1 2; 50K#209 1 2; 50K#210 1 2; 50K#211 1 2; 50K#212 1 2; 50K#213 1 2; 50K#214 1 2; 50K#215 1 2; 50K#216 1 2; 50K#217 1 2; 50K#218 1 2; 50K#219 1 2; 50K#220 1 2; 50K#221 1 2; 50K#222 1 2; 50K#223 1 2; 50K#224 1 2; 50K#225 1 2; 50K#226 1 2; 50K#227 1 2; 50K#228 1 2; 50K#229 1 2; 50K#230 1 2; 50K#231 1 2; 50K#232 1 2; 50K#233 1 2; 50K#234 1 2; 50K#235 1 2; 50K#236 1 2; 50K#237 1 2; 50K#238 1 2; 50K#239 1 2; 50K#240 1 2; 50K#241 1 2; 50K#242 1 2; 50K#243 1 2; 50K#244 1 2; 50K#245 1 2; 50K#246 1 2; 50K#247 1 2; 50K#248 1 2; 50K#249 1 2; 50K#250 1 2; 50K#251 1 2; 50K#252 1 2; 50K#253 1 2; 50K#254 1 2; 50K#255 1 2; 50K#256 1 2; 50K#257 1 2; 50K#258 1 2; 50K#259 1 2; 50K#260 1 2; 50K#261 1 2; 50K#262 1 2; 50K#263 1 2; 50K#264 1 2; 50K#265 1 2; 50K#266 1 2; 50K#267 1 2; 50K#268 1 2; 50K#269 1 2; 50K#270 1 2; 50K#271 1 2; 50K#272 1 2; 50K#273 1 2; 50K#274 1 2; 50K#275 1 2; 50K#276 1 2; 50K#277 1 2; 50K#278 1 2; 50K#279 1 2; 50K#280 1 2; 50K#281 1 2; 50K#282 1 2; 50K#283 1 2; 50K#284 1 2; 50K#285 1 2; 50K#286 1 2; 50K#287 1 2; 50K#288 1 2; 50K#289 1 2; 50K#290 1 2; 50K#291 1 2; 50K#292 1 2; 50K#293 1 2; 50K#294 1 2; 50K#295 1 2; 50K#296 1 2; 50K#297 1 2; 50K#298 1 2; 50K#299 1 2; 50K#300 1 2; 50K#301 1 2; 50K#302 1 2; 50K#303 1 2; 50K#304 1 2; 50K#305 1 2; 50K#306 1 2; 50K#307 1 2; 50K#308 1 2; 50K#309 1 2; 50K#310 1 2; 50K#311 1 2; 50K#312 1 2; 50K#313 1 2; 50K#314 1 2; 50K#315 1 2; 50K#316 1 2; 50K#317 1 2; 50K#318 1 2; 50K#319 1 2; 50K#320 1 2; 50K#321 1 2; 50K#322 1 2; 50K#323 1 2; 50K#324 1 2; 50K#325 1 2; 50K#326 1 2; 50K#327 1 2; 50K#328 1 2; 50K#329 1 2; 50K#330 1 2; 50K#331 1 2; 50K#332 1 2; 50K#333 1 2; 50K#334 1 2; 50K#335 1 2; 50K#336 1 2; 50K#337 1 2; 50K#338 1 2; 50K#339 1 2; 50K#340 1 2; 50K#341 1 2; 50K#342 1 2; 50K#343 1 2; 50K#344 1 2; 50K#345 1 2; 50K#346 1 2; 50K#347 1 2; 50K#348 1 2; 50K#349 1 2; 50K#350 1 2; 50K#351 1 2; 50K#352 1 2; 50K#353 1 2; 50K#354 1 2; 50K#355 1 2; 50K#356 1 2; 50K#357 1 2; 50K#358 1 2; 50K#359 1 2; 50K#360 1 2; 50K#361 1 2; 50K#362 1 2; 50K#363 1 2; 50K#364 1 2; 50K#365 1 2; 50K#366 1 2; 50K#367 1 2; 50K#368 1 2; 50K#369 1 2; 50K#370 1 2; 50K#371 1 2; 50K#372 1 2; 50K#373 1 2; 50K#374 1 2; 50K#375 1 2; 50K#376 1 2; 50K#377 1 2; 50K#378 1 2; 50K#379 1 2; 50K#380 1 2; 50K#381 1 2; 50K#382 1 2; 50K#383 1 2; 50K#384 1 2; 50K#385 1 2; 50K#386 1 2; 50K#387 1 2; 50K#388 1 2; 50K#389 1 2; 50K#390 1 2; 50K#391 1 2; 50K#392 1 2; 50K#393 1 2; 50K#394 1 2; 50K#395 1 2; 50K#396 1 2; 50K#397 1 2; 50K#398 1 2; 50K#399 1 2; 50K#400 1 2; 50K#401 1 2; 50K#402 1 2; 50K#403 1 2; 50K#404 1 2; 50K#405 1 2; 50K#406 1 2; 50K#407 1 2; 50K#408 1 2; 50K#409 1 2; 50K#410 1 2; 50K#411 1 2; 50K#412 1 2; 50K#413 1 2; 50K#414 1 2; 50K#415 1 2; 50K#416 1 2; 50K#417 1 2; 50K#418 1 2; 50K#419 1 2; 50K#420 1 2; 50K#421 1 2; 50K#422 1 2; 50K#423 1 2; 50K#424 1 2; 50K#425 1 2; 50K#426 1 2; 50K#427 1 2; 50K#428 1 2; 50K#429 1 2; 50K#430 1 2; 50K#431 1 2; 50K#432 1 2; 50K#433 1 2; 50K#434 1 2; 50K#435 1 2; 50K#436 1 2; 50K#437 1 2; 50K#438 1 2; 50K#439 1 2; 50K#440 1 2; 50K#441 1 2; 50K#442 1 2; 50K#443 1 2; 50K#444 1 2; 50K#445 1 2; 50K#446 1 2; 50K#447 1 2; 50K#448 1 2; 50K#449 1 2; 50K#450 1 2; 50K#451 1 2; 50K#452 1 2; 50K#453 1 2; 50K#454 1 2; 50K#455 1 2; 50K#456 1 2; 50K#457 1 2; 50K#458 1 2; 50K#459 1 2; 50K#460 1 2; 50K#461 1 2; 50K#462 1 2; 50K#463 1 2; 50K#464 1 2; 50K#465 1 2; 50K#466 1 2; 50K#467 1 2; 50K#468 1 2; 50K#469 1 2; 50K#470 1 2; 50K#471 1 2; 50K#472 1 2; 50K#473 1 2; 50K#474 1 2; 50K#475 1 2; 50K#476 1 2; 50K#477 1 2; 50K#478 1 2; 50K#479 1 2; 50K#480 1 2; 50K#481 1 2; 50K#482 1 2; 50K#483 1 2; 50K#484 1 2; 50K#485 1 2; 50K#486 1 2; 50K#487 1 2; 50K#488 1 2; 50K#489 1 2; 50K#490 1 2; 50K#491 1 2; 50K#492 1 2; 50K#493 1 2; 50K#494 1 2; 50K#495 1 2; 50K#496 1 2; 50K#497 1 2; 50K#498 1 2; 50K#499 1 2; 50K#500 1 2; 50K#501 1 2; 50K#502 1 2; 50K#503 1 2; 50K#504 1 2; 50K#505 1 2; 50K#506 1 2; 50K#507 1 2; 50K#508 1 2; 50K#509 1 2; 50K#510 1 2; 50K#511 1 2; 50K#512 1 2; MMBTA42 1 3; MMBTA42#2 1 3; MMBTA42#3 1 3; MMBTA42#4 1 3; MMBTA42#5 1 3; MMBTA42#6 1 3; MMBTA42#7 1 3; MMBTA42#8 1 3; MMBTA42#9 1 3; MMBTA42#10 1 3; MMBTA42#11 1 3; MMBTA42#12 1 3; MMBTA42#13 1 3; MMBTA42#14 1 3; MMBTA42#15 1 3; MMBTA42#16 1 3; MMBTA42#17 1 3; MMBTA42#18 1 3; MMBTA42#19 1 3; MMBTA42#20 1 3; MMBTA42#21 1 3; MMBTA42#22 1 3; MMBTA42#23 1 3; MMBTA42#24 1 3; MMBTA42#25 1 3; MMBTA42#26 1 3; MMBTA42#27 1 3; MMBTA42#28 1 3; MMBTA42#29 1 3; MMBTA42#30 1 3; MMBTA42#31 1 3; MMBTA42#32 1 3; MMBTA42#33 1 3; MMBTA42#34 1 3; MMBTA42#35 1 3; MMBTA42#36 1 3; MMBTA42#37 1 3; MMBTA42#38 1 3; MMBTA42#39 1 3; MMBTA42#40 1 3; MMBTA42#41 1 3; MMBTA42#42 1 3; MMBTA42#43 1 3; MMBTA42#44 1 3; MMBTA42#45 1 3; MMBTA42#46 1 3; MMBTA42#47 1 3; MMBTA42#48 1 3; MMBTA42#49 1 3; MMBTA42#50 1 3; MMBTA42#51 1 3; MMBTA42#52 1 3; MMBTA42#53 1 3; MMBTA42#54 1 3; MMBTA42#55 1 3; MMBTA42#56 1 3; MMBTA42#57 1 3; MMBTA42#58 1 3; MMBTA42#59 1 3; MMBTA42#60 1 3; MMBTA42#61 1 3; MMBTA42#62 1 3; MMBTA42#63 1 3; MMBTA42#64 1 3; MMBTA42#65 1 3; MMBTA42#66 1 3; MMBTA42#67 1 3; MMBTA42#68 1 3; MMBTA42#69 1 3; MMBTA42#70 1 3; MMBTA42#71 1 3; MMBTA42#72 1 3; MMBTA42#73 1 3; MMBTA42#74 1 3; MMBTA42#75 1 3; MMBTA42#76 1 3; MMBTA42#77 1 3; MMBTA42#78 1 3; MMBTA42#79 1 3; MMBTA42#80 1 3; MMBTA42#81 1 3; MMBTA42#82 1 3; MMBTA42#83 1 3; MMBTA42#84 1 3; MMBTA42#85 1 3; MMBTA42#86 1 3; MMBTA42#87 1 3; MMBTA42#88 1 3; MMBTA42#89 1 3; MMBTA42#90 1 3; MMBTA42#91 1 3; MMBTA42#92 1 3; MMBTA42#93 1 3; MMBTA42#94 1 3; MMBTA42#95 1 3; MMBTA42#96 1 3; MMBTA42#97 1 3; MMBTA42#98 1 3; MMBTA42#99 1 3; MMBTA42#100 1 3; MMBTA42#101 1 3; MMBTA42#102 1 3; MMBTA42#103 1 3; MMBTA42#104 1 3; MMBTA42#105 1 3; MMBTA42#106 1 3; MMBTA42#107 1 3; MMBTA42#108 1 3; MMBTA42#109 1 3; MMBTA42#110 1 3; MMBTA42#111 1 3; MMBTA42#112 1 3; MMBTA42#113 1 3; MMBTA42#114 1 3; MMBTA42#115 1 3; MMBTA42#116 1 3; MMBTA42#117 1 3; MMBTA42#118 1 3; MMBTA42#119 1 3; MMBTA42#120 1 3; MMBTA42#121 1 3; MMBTA42#122 1 3; MMBTA42#123 1 3; MMBTA42#124 1 3; MMBTA42#125 1 3; MMBTA42#126 1 3; MMBTA42#127 1 3; MMBTA42#128 1 3; MMBTA42#129 1 3; MMBTA42#130 1 3; MMBTA42#131 1 3; MMBTA42#132 1 3; MMBTA42#133 1 3; MMBTA42#134 1 3; MMBTA42#135 1 3; MMBTA42#136 1 3; MMBTA42#137 1 3; MMBTA42#138 1 3; MMBTA42#139 1 3; MMBTA42#140 1 3; MMBTA42#141 1 3; MMBTA42#142 1 3; MMBTA42#143 1 3; MMBTA42#144 1 3; MMBTA42#145 1 3; MMBTA42#146 1 3; MMBTA42#147 1 3; MMBTA42#148 1 3; MMBTA42#149 1 3; MMBTA42#150 1 3; MMBTA42#151 1 3; MMBTA42#152 1 3; MMBTA42#153 1 3; MMBTA42#154 1 3; MMBTA42#155 1 3; MMBTA42#156 1 3; MMBTA42#157 1 3; MMBTA42#158 1 3; MMBTA42#159 1 3; MMBTA42#160 1 3; MMBTA42#161 1 3; MMBTA42#162 1 3; MMBTA42#163 1 3; MMBTA42#164 1 3; MMBTA42#165 1 3; MMBTA42#166 1 3; MMBTA42#167 1 3; MMBTA42#168 1 3; MMBTA42#169 1 3; MMBTA42#170 1 3; MMBTA42#171 1 3; MMBTA42#172 1 3; MMBTA42#173 1 3; MMBTA42#174 1 3; MMBTA42#175 1 3; MMBTA42#176 1 3; MMBTA42#177 1 3; MMBTA42#178 1 3; MMBTA42#179 1 3; MMBTA42#180 1 3; MMBTA42#181 1 3; MMBTA42#182 1 3; MMBTA42#183 1 3; MMBTA42#184 1 3; MMBTA42#185 1 3; MMBTA42#186 1 3; MMBTA42#187 1 3; MMBTA42#188 1 3; MMBTA42#189 1 3; MMBTA42#190 1 3; MMBTA42#191 1 3; MMBTA42#192 1 3; MMBTA42#193 1 3; MMBTA42#194 1 3; MMBTA42#195 1 3; MMBTA42#196 1 3; MMBTA42#197 1 3; MMBTA42#198 1 3; MMBTA42#199 1 3; MMBTA42#200 1 3; MMBTA42#201 1 3; MMBTA42#202 1 3; MMBTA42#203 1 3; MMBTA42#204 1 3; MMBTA42#205 1 3; MMBTA42#206 1 3; MMBTA42#207 1 3; MMBTA42#208 1 3; MMBTA42#209 1 3; MMBTA42#210 1 3; MMBTA42#211 1 3; MMBTA42#212 1 3; MMBTA42#213 1 3; MMBTA42#214 1 3; MMBTA42#215 1 3; MMBTA42#216 1 3; MMBTA42#217 1 3; MMBTA42#218 1 3; MMBTA42#219 1 3; MMBTA42#220 1 3; MMBTA42#221 1 3; MMBTA42#222 1 3; MMBTA42#223 1 3; MMBTA42#224 1 3; MMBTA42#225 1 3; MMBTA42#226 1 3; MMBTA42#227 1 3; MMBTA42#228 1 3; MMBTA42#229 1 3; MMBTA42#230 1 3; MMBTA42#231 1 3; MMBTA42#232 1 3; MMBTA42#233 1 3; MMBTA42#234 1 3; MMBTA42#235 1 3; MMBTA42#236 1 3; MMBTA42#237 1 3; MMBTA42#238 1 3; MMBTA42#239 1 3; MMBTA42#240 1 3; MMBTA42#241 1 3; MMBTA42#242 1 3; MMBTA42#243 1 3; MMBTA42#244 1 3; MMBTA42#245 1 3; MMBTA42#246 1 3; MMBTA42#247 1 3; MMBTA42#248 1 3; MMBTA42#249 1 3; MMBTA42#250 1 3; MMBTA42#251 1 3; MMBTA42#252 1 3; MMBTA42#253 1 3; MMBTA42#254 1 3; MMBTA42#255 1 3; MMBTA42#256 1 3; MMBTA42#257 1 3; MMBTA42#258 1 3; MMBTA42#259 1 3; MMBTA42#260 1 3; MMBTA42#261 1 3; MMBTA42#262 1 3; MMBTA42#263 1 3; MMBTA42#264 1 3; MMBTA42#265 1 3; MMBTA42#266 1 3; MMBTA42#267 1 3; MMBTA42#268 1 3; MMBTA42#269 1 3; MMBTA42#270 1 3; MMBTA42#271 1 3; MMBTA42#272 1 3; MMBTA42#273 1 3; MMBTA42#274 1 3; MMBTA42#275 1 3; MMBTA42#276 1 3; MMBTA42#277 1 3; MMBTA42#278 1 3; MMBTA42#279 1 3; MMBTA42#280 1 3; MMBTA42#281 1 3; MMBTA42#282 1 3; MMBTA42#283 1 3; MMBTA42#284 1 3; MMBTA42#285 1 3; MMBTA42#286 1 3; MMBTA42#287 1 3; MMBTA42#288 1 3; MMBTA42#289 1 3; MMBTA42#290 1 3; MMBTA42#291 1 3; MMBTA42#292 1 3; MMBTA42#293 1 3; MMBTA42#294 1 3; MMBTA42#295 1 3; MMBTA42#296 1 3; MMBTA42#297 1 3; MMBTA42#298 1 3; MMBTA42#299 1 3; MMBTA42#300 1 3; MMBTA42#301 1 3; MMBTA42#302 1 3; MMBTA42#303 1 3; MMBTA42#304 1 3; MMBTA42#305 1 3; MMBTA42#306 1 3; MMBTA42#307 1 3; MMBTA42#308 1 3; MMBTA42#309 1 3; MMBTA42#310 1 3; MMBTA42#311 1 3; MMBTA42#312 1 3; MMBTA42#313 1 3; MMBTA42#314 1 3; MMBTA42#315 1 3; MMBTA42#316 1 3; MMBTA42#317 1 3; MMBTA42#318 1 3; MMBTA42#319 1 3; MMBTA42#320 1 3; MMBTA42#321 1 3; MMBTA42#322 1 3; MMBTA42#323 1 3; MMBTA42#324 1 3; MMBTA42#325 1 3; MMBTA42#326 1 3; MMBTA42#327 1 3; MMBTA42#328 1 3; MMBTA42#329 1 3; MMBTA42#330 1 3; MMBTA42#331 1 3; MMBTA42#332 1 3; MMBTA42#333 1 3; MMBTA42#334 1 3; MMBTA42#335 1 3; MMBTA42#336 1 3; MMBTA42#337 1 3; MMBTA42#338 1 3; MMBTA42#339 1 3; MMBTA42#340 1 3; MMBTA42#341 1 3; MMBTA42#342 1 3; MMBTA42#343 1 3; MMBTA42#344 1 3; MMBTA42#345 1 3; MMBTA42#346 1 3; MMBTA42#347 1 3; MMBTA42#348 1 3; MMBTA42#349 1 3; MMBTA42#350 1 3; MMBTA42#351 1 3; MMBTA42#352 1 3; MMBTA42#353 1 3; MMBTA42#354 1 3; MMBTA42#355 1 3; MMBTA42#356 1 3; MMBTA42#357 1 3; MMBTA42#358 1 3; MMBTA42#359 1 3; MMBTA42#360 1 3; MMBTA42#361 1 3; MMBTA42#362 1 3; MMBTA42#363 1 3; MMBTA42#364 1 3; MMBTA42#365 1 3; MMBTA42#366 1 3; MMBTA42#367 1 3; MMBTA42#368 1 3; MMBTA42#369 1 3; MMBTA42#370 1 3; MMBTA42#371 1 3; MMBTA42#372 1 3; MMBTA42#373 1 3; MMBTA42#374 1 3; MMBTA42#375 1 3; MMBTA42#376 1 3; MMBTA42#377 1 3; MMBTA42#378 1 3; MMBTA42#379 1 3; MMBTA42#380 1 3; MMBTA42#381 1 3; MMBTA42#382 1 3; MMBTA42#383 1 3; MMBTA42#384 1 3; MMBTA42#385 1 3; MMBTA42#386 1 3; MMBTA42#387 1 3; MMBTA42#388 1 3; MMBTA42#389 1 3; MMBTA42#390 1 3; MMBTA42#391 1 3; MMBTA42#392 1 3; MMBTA42#393 1 3; MMBTA42#394 1 3; MMBTA42#395 1 3; MMBTA42#396 1 3; MMBTA42#397 1 3; MMBTA42#398 1 3; MMBTA42#399 1 3; MMBTA42#400 1 3; MMBTA42#401 1 3; MMBTA42#402 1 3; MMBTA42#403 1 3; MMBTA42#404 1 3; MMBTA42#405 1 3; MMBTA42#406 1 3; MMBTA42#407 1 3; MMBTA42#408 1 3; MMBTA42#409 1 3; MMBTA42#410 1 3; MMBTA42#411 1 3; MMBTA42#412 1 3; MMBTA42#413 1 3; MMBTA42#414 1 3; MMBTA42#415 1 3; MMBTA42#416 1 3; MMBTA42#417 1 3; MMBTA42#418 1 3; MMBTA42#419 1 3; MMBTA42#420 1 3; MMBTA42#421 1 3; MMBTA42#422 1 3; MMBTA42#423 1 3; MMBTA42#424 1 3; MMBTA42#425 1 3; MMBTA42#426 1 3; MMBTA42#427 1 3; MMBTA42#428 1 3; MMBTA42#429 1 3; MMBTA42#430 1 3; MMBTA42#431 1 3; MMBTA42#432 1 3; MMBTA42#433 1 3; MMBTA42#434 1 3; MMBTA42#435 1 3; MMBTA42#436 1 3; MMBTA42#437 1 3; MMBTA42#438 1 3; MMBTA42#439 1 3; MMBTA42#440 1 3; MMBTA42#441 1 3; MMBTA42#442 1